# Altium PCB RTM_SFP.PcbDoc (part 6 of 17)
Units mil, origin at the board's own origin, x right, y up, seen from the top; angles counter-clockwise.
Board outline 7185 x 5846.5 mil, 4 copper layers (Top Layer, MidPlane_1, MidPlane_2, Bottom Layer), stack 63.553 mil thick; 389 components, 333 nets, 1578 pads, 1486 vias.
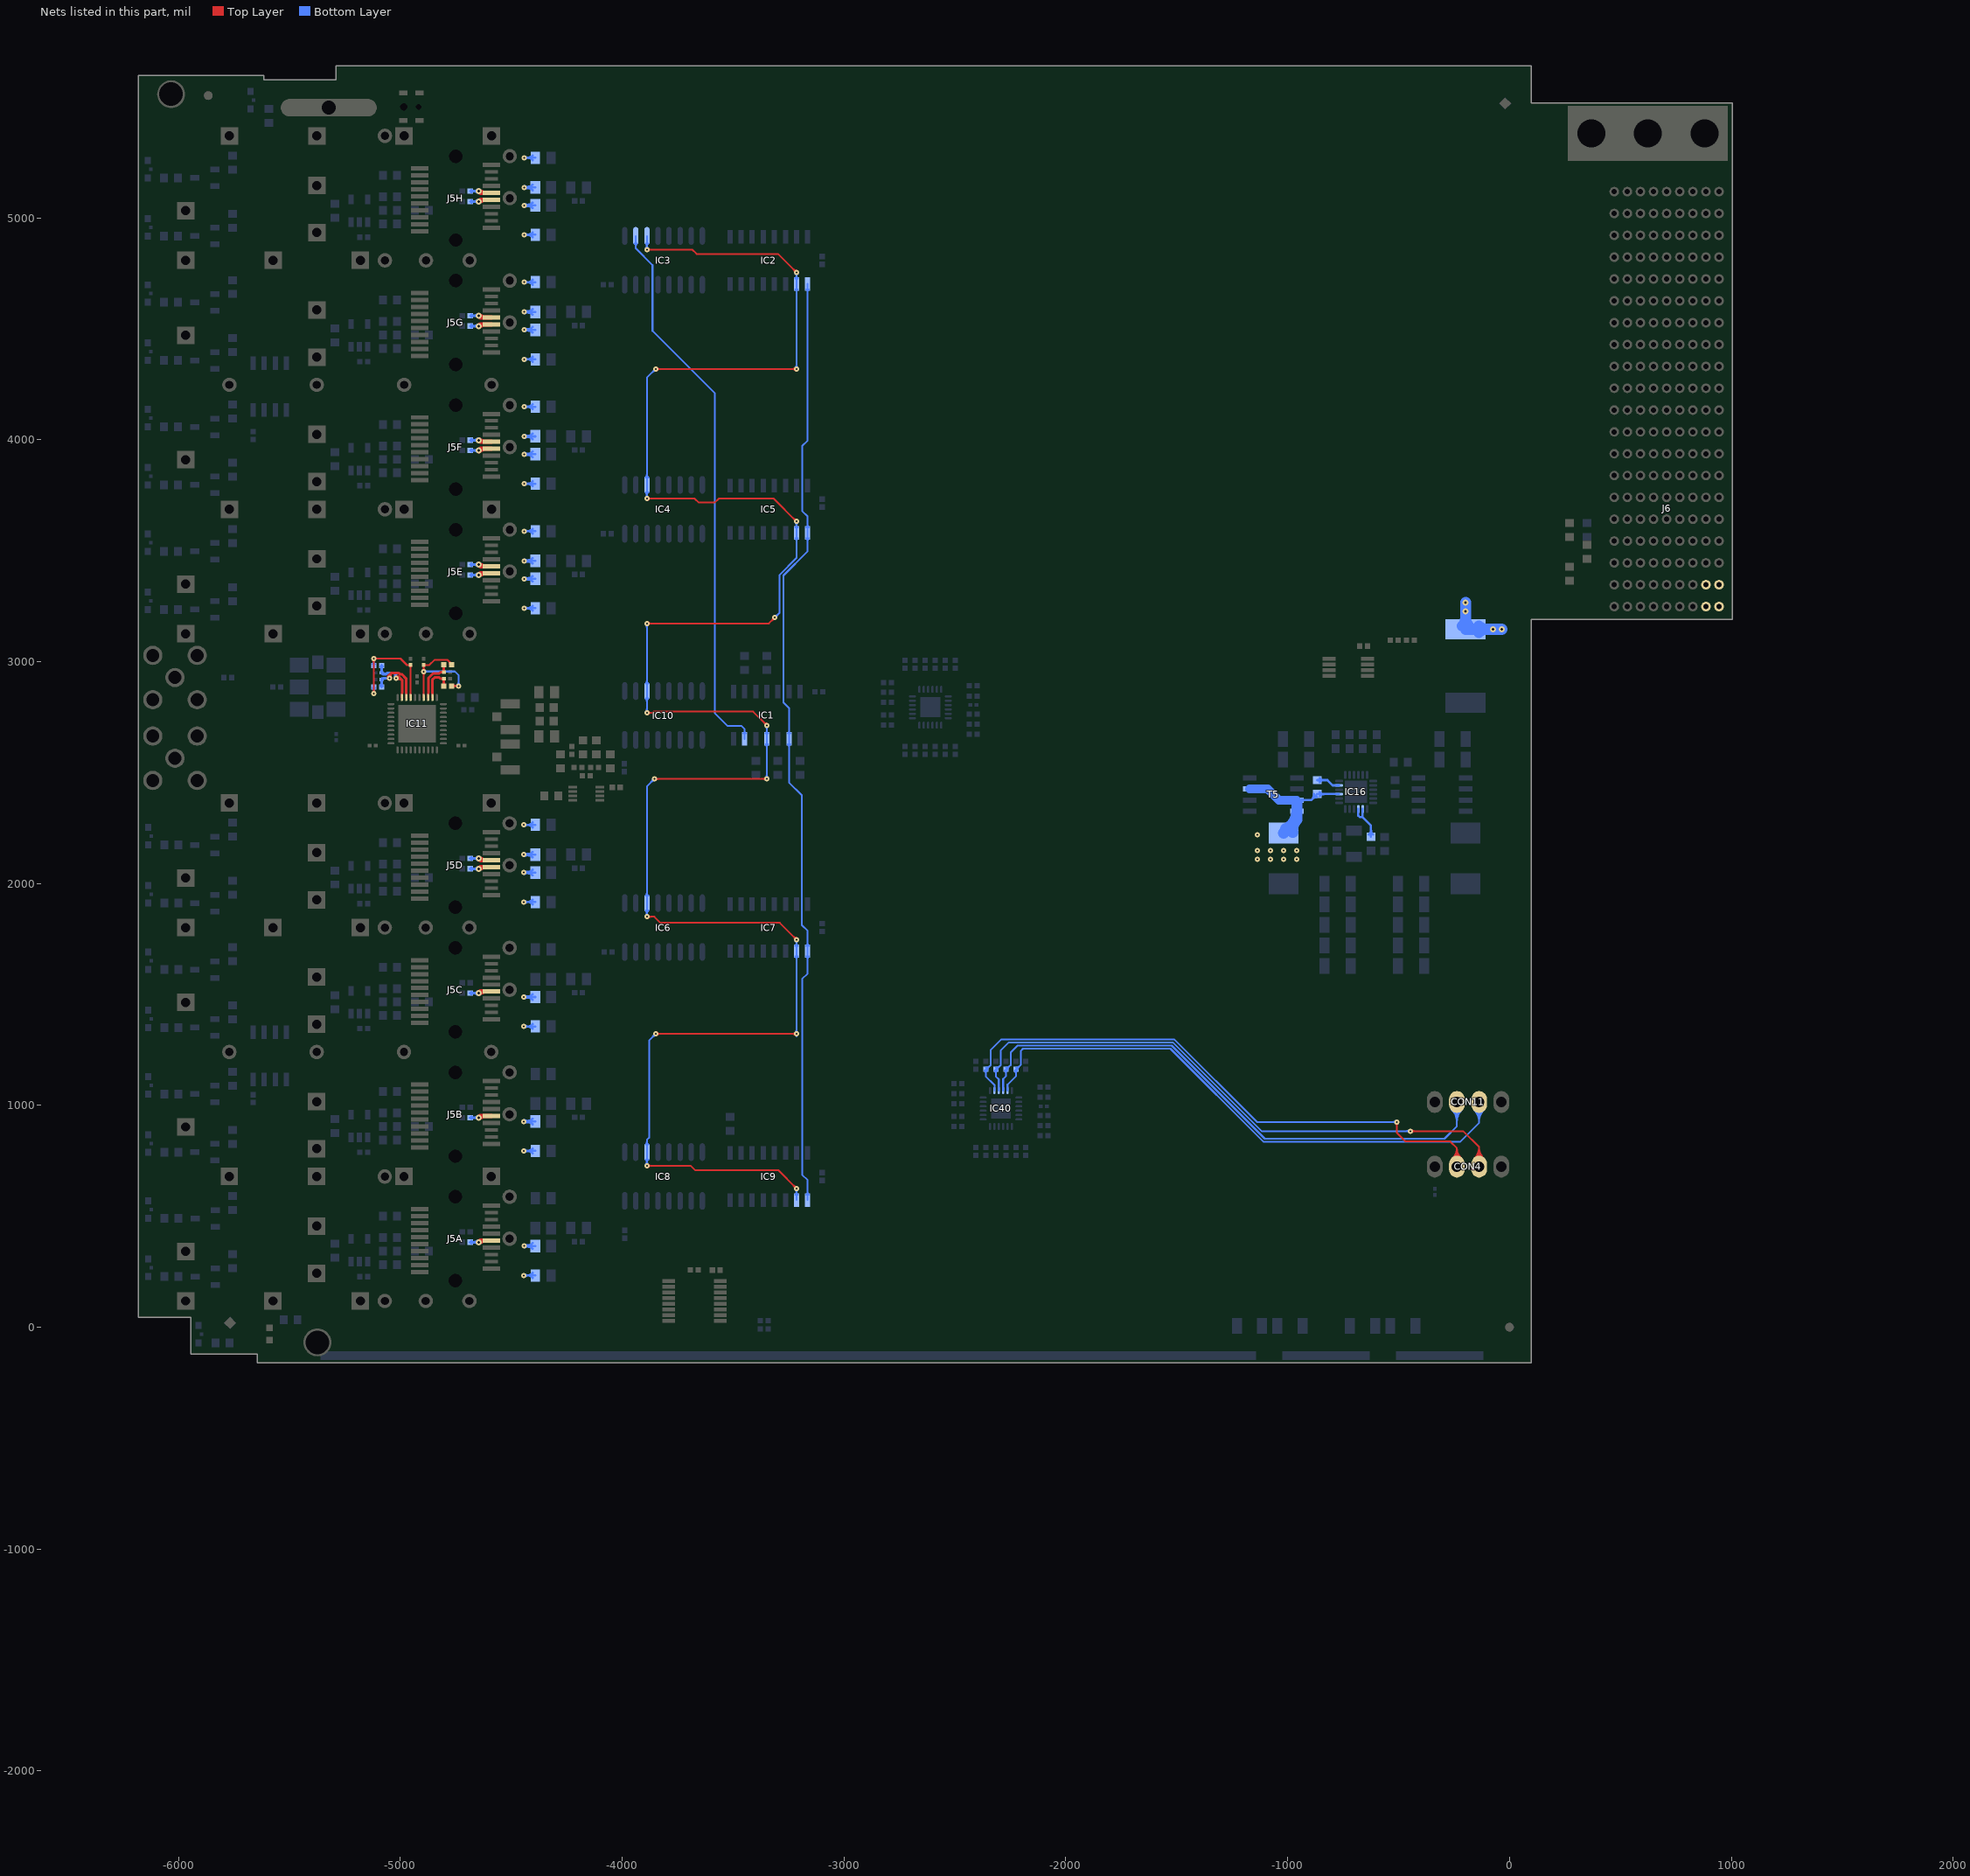
[diagram p8: the nets of this part, all layers, seen from the top]

## Via types
v1: diameter 23.62, hole 7.87, Top Layer to Bottom Layer, tented both sides, 1401 vias
v2: diameter 27.56, hole 11.81, Top Layer to Bottom Layer, tented both sides, 59 vias
v3: diameter 25.98, hole 12.99, Top Layer to Bottom Layer, tented top, 24 vias
v4: diameter 23.62, hole 11.81, Top Layer to Bottom Layer, tented both sides, 2 vias

## Nets (pads, with @x,y where several pads share a name; then routed paths per layer and width w, separated by ;. In a path a pad name is that pad's centre, name@x,y a point inside that pad or via, vN(x,y) a via of type N, cw(c..) or ccw(c..) an arc to the next point about the centre after c; other vN are vias at no path point) (continued)
NetC214D_1: C214D.1 C220D.1 J5D.16 L5D.2 | length 624.1
  Top Layer w19.68: v2(-4647.55,2112.99) -4639.92,2105.36 J5D.16@-4590.14,2105.36 ; v2@-4646.31,2109.26 cw(c-4640.28,2091.13) -4630.73,2107.67 ; v2@-4644.77,2115.78 ccw(c-4619.63,2140.92) -4619.63,2105.36 cw(c-4619.63,2140.92) v2@-4644.77,2115.78
  Bottom Layer w10: v1(-4443.28,2129.91) L5D.2@-4392.29,2129.91 ; v1(-4443.28,2263.77) C220D.1@-4392.29,2263.77 ; v1@-4439.87,2124.02 cw(c-4427.69,2102.92) -4421.38,2126.45 ; v1@-4439.87,2135.81 ccw(c-4427.69,2156.91) -4421.38,2133.38 ; L5D.2@-4404.2,2117.44 ccw(c-4434.31,2087.33) -4434.31,2129.91 ccw(c-4434.31,2172.5) L5D.2@-4404.2,2142.39 ; C220D.1@-4402.81,2252.69 ccw(c-4429.56,2225.94) -4429.56,2263.77 ccw(c-4429.56,2301.6) C220D.1@-4402.81,2274.85 ; -4426.83,2129.91 cw(c-4426.83,2146.36) -4438.46,2134.73 ccw(c-4426.83,2146.36) -4426.83,2129.91 ; -4426.83,2129.91 ccw(c-4426.83,2113.47) -4438.46,2125.1 cw(c-4426.83,2113.47) -4426.83,2129.91 ; -4426.83,2263.77 cw(c-4426.83,2280.22) -4438.46,2268.59 ccw(c-4426.83,2280.22) -4426.83,2263.77 ; -4426.83,2263.77 ccw(c-4426.83,2247.33) -4438.46,2258.96 cw(c-4426.83,2247.33) -4426.83,2263.77
  Bottom Layer w11.81: C214D.1@-4685.6,2112.99 v2(-4647.55,2112.99) ; C214D.1@-4680.59,2108.54 cw(c-4669.83,2097.78) -4669.83,2112.99 cw(c-4669.83,2128.2) C214D.1@-4680.59,2117.45 ; -4666.56,2112.99 cw(c-4666.56,2093.98) -4653.12,2107.42 ccw(c-4666.56,2093.98) -4666.56,2112.99 ; -4666.56,2112.99 ccw(c-4666.56,2132) -4653.12,2118.56 cw(c-4666.56,2132) -4666.56,2112.99
NetC214E_1: C214E.1 C220E.1 J5E.16 L5E.2 | length 623.3
  Top Layer w19.68: v2(-4646.99,3437.02) -4639.36,3429.39 J5E.16@-4589.58,3429.39 ; v2@-4645.75,3433.28 cw(c-4639.72,3415.15) -4630.17,3431.7 ; v2@-4644.21,3439.8 ccw(c-4619.07,3464.94) -4619.07,3429.39 cw(c-4619.07,3464.94) v2@-4644.21,3439.8
  Bottom Layer w10: v1(-4442.72,3453.94) L5E.2@-4391.73,3453.94 ; v1(-4442.72,3587.8) C220E.1@-4391.73,3587.8 ; v1@-4439.31,3448.04 cw(c-4427.38,3427.37) -4421.2,3450.42 ; v1@-4439.31,3459.84 ccw(c-4427.38,3480.51) -4421.2,3457.45 ; L5E.2@-4404.2,3441.47 ccw(c-4434.31,3411.36) -4434.31,3453.94 ccw(c-4434.31,3496.52) L5E.2@-4404.2,3466.41 ; C220E.1@-4402.81,3576.72 ccw(c-4429.56,3549.97) -4429.56,3587.8 ccw(c-4429.56,3625.62) C220E.1@-4402.81,3598.88 ; -4426.27,3453.94 cw(c-4426.27,3470.38) -4437.9,3458.75 ccw(c-4426.27,3470.38) -4426.27,3453.94 ; -4426.27,3453.94 ccw(c-4426.27,3437.49) -4437.9,3449.12 cw(c-4426.27,3437.49) -4426.27,3453.94 ; -4426.27,3587.8 cw(c-4426.27,3604.24) -4437.9,3592.61 ccw(c-4426.27,3604.24) -4426.27,3587.8 ; -4426.27,3587.8 ccw(c-4426.27,3571.35) -4437.9,3582.98 cw(c-4426.27,3571.35) -4426.27,3587.8
  Bottom Layer w11.81: C214E.1@-4685.04,3437.02 v2(-4646.99,3437.02) ; C214E.1@-4680.59,3432.56 cw(c-4669.83,3421.81) -4669.83,3437.02 cw(c-4669.83,3452.22) C214E.1@-4680.59,3441.47 ; -4666,3437.02 cw(c-4666,3418.01) -4652.56,3431.45 ccw(c-4666,3418.01) -4666,3437.02 ; -4666,3437.02 ccw(c-4666,3456.02) -4652.56,3442.58 cw(c-4666,3456.02) -4666,3437.02
NetC214F_1: C214F.1 C220F.1 J5F.16 L5F.2 | length 623.3
  Top Layer w19.68: v2(-4646.99,3998.04) -4639.36,3990.41 J5F.16@-4589.58,3990.41 ; v2@-4645.75,3994.3 cw(c-4639.72,3976.18) -4630.17,3992.72 ; v2@-4644.21,4000.82 ccw(c-4619.07,4025.96) -4619.07,3990.41 cw(c-4619.07,4025.96) v2@-4644.21,4000.82
  Bottom Layer w10: v1(-4442.72,4014.96) L5F.2@-4391.73,4014.96 ; v1(-4442.72,4148.82) C220F.1@-4391.73,4148.82 ; v1@-4439.31,4009.06 cw(c-4427.38,3988.39) -4421.2,4011.45 ; v1@-4439.31,4020.86 ccw(c-4427.38,4041.53) -4421.2,4018.47 ; L5F.2@-4404.2,4002.49 ccw(c-4434.31,3972.38) -4434.31,4014.96 ccw(c-4434.31,4057.54) L5F.2@-4404.2,4027.43 ; C220F.1@-4402.81,4137.74 ccw(c-4429.56,4110.99) -4429.56,4148.82 ccw(c-4429.56,4186.65) C220F.1@-4402.81,4159.9 ; -4426.27,4014.96 cw(c-4426.27,4031.4) -4437.9,4019.78 ccw(c-4426.27,4031.4) -4426.27,4014.96 ; -4426.27,4014.96 ccw(c-4426.27,3998.52) -4437.9,4010.14 cw(c-4426.27,3998.52) -4426.27,4014.96 ; -4426.27,4148.82 cw(c-4426.27,4165.26) -4437.9,4153.64 ccw(c-4426.27,4165.26) -4426.27,4148.82 ; -4426.27,4148.82 ccw(c-4426.27,4132.38) -4437.9,4144 cw(c-4426.27,4132.38) -4426.27,4148.82
  Bottom Layer w11.81: C214F.1@-4685.04,3998.04 v2(-4646.99,3998.04) ; C214F.1@-4680.59,3993.58 cw(c-4669.83,3982.83) -4669.83,3998.04 cw(c-4669.83,4013.25) C214F.1@-4680.59,4002.49 ; -4666,3998.04 cw(c-4666,3979.03) -4652.56,3992.47 ccw(c-4666,3979.03) -4666,3998.04 ; -4666,3998.04 ccw(c-4666,4017.05) -4652.56,4003.61 cw(c-4666,4017.05) -4666,3998.04
NetC214G_1: C214G.1 C220G.1 J5G.16 L5G.2 | length 623.3
  Top Layer w19.68: v2(-4646.99,4559.06) -4639.36,4551.43 J5G.16@-4589.58,4551.43 ; v2@-4645.75,4555.33 cw(c-4639.72,4537.2) -4630.17,4553.74 ; v2@-4644.21,4561.85 ccw(c-4619.07,4586.99) -4619.07,4551.43 cw(c-4619.07,4586.99) v2@-4644.21,4561.85
  Bottom Layer w10: v1(-4442.72,4575.98) L5G.2@-4391.73,4575.98 ; v1(-4442.72,4709.84) C220G.1@-4391.73,4709.84 ; v1@-4439.31,4570.09 cw(c-4427.38,4549.42) -4421.2,4572.47 ; v1@-4439.31,4581.88 ccw(c-4427.38,4602.55) -4421.2,4579.5 ; L5G.2@-4404.2,4563.51 ccw(c-4434.31,4533.4) -4434.31,4575.98 ccw(c-4434.31,4618.57) L5G.2@-4404.2,4588.46 ; C220G.1@-4402.81,4698.76 ccw(c-4429.56,4672.01) -4429.56,4709.84 ccw(c-4429.56,4747.67) C220G.1@-4402.81,4720.92 ; -4426.27,4575.98 cw(c-4426.27,4592.43) -4437.9,4580.8 ccw(c-4426.27,4592.43) -4426.27,4575.98 ; -4426.27,4575.98 ccw(c-4426.27,4559.54) -4437.9,4571.17 cw(c-4426.27,4559.54) -4426.27,4575.98 ; -4426.27,4709.84 cw(c-4426.27,4726.29) -4437.9,4714.66 ccw(c-4426.27,4726.29) -4426.27,4709.84 ; -4426.27,4709.84 ccw(c-4426.27,4693.4) -4437.9,4705.03 cw(c-4426.27,4693.4) -4426.27,4709.84
  Bottom Layer w11.81: C214G.1@-4685.04,4559.06 v2(-4646.99,4559.06) ; C214G.1@-4680.59,4554.61 cw(c-4669.83,4543.86) -4669.83,4559.06 cw(c-4669.83,4574.27) C214G.1@-4680.59,4563.52 ; -4666,4559.06 cw(c-4666,4540.05) -4652.56,4553.5 ccw(c-4666,4540.05) -4666,4559.06 ; -4666,4559.06 ccw(c-4666,4578.07) -4652.56,4564.63 cw(c-4666,4578.07) -4666,4559.06
NetC214H_1: C214H.1 C220H.1 J5H.16 L5H.2 | length 623.3
  Top Layer w19.68: v2(-4646.99,5120.09) -4639.36,5112.46 J5H.16@-4589.58,5112.46 ; v2@-4645.75,5116.35 cw(c-4639.72,5098.23) -4630.17,5114.77 ; v2@-4644.21,5122.87 ccw(c-4619.07,5148.01) -4619.07,5112.46 cw(c-4619.07,5148.01) v2@-4644.21,5122.87
  Bottom Layer w10: v1(-4442.72,5137.01) L5H.2@-4391.73,5137.01 ; v1(-4442.72,5270.87) C220H.1@-4391.73,5270.87 ; v1@-4439.31,5131.11 cw(c-4427.38,5110.44) -4421.2,5133.49 ; v1@-4439.31,5142.91 ccw(c-4427.38,5163.58) -4421.2,5140.52 ; L5H.2@-4404.2,5124.54 ccw(c-4434.31,5094.43) -4434.31,5137.01 ccw(c-4434.31,5179.59) L5H.2@-4404.2,5149.48 ; C220H.1@-4402.81,5259.79 ccw(c-4429.56,5233.04) -4429.56,5270.87 ccw(c-4429.56,5308.7) C220H.1@-4402.81,5281.95 ; -4426.27,5137.01 cw(c-4426.27,5153.45) -4437.9,5141.82 ccw(c-4426.27,5153.45) -4426.27,5137.01 ; -4426.27,5137.01 ccw(c-4426.27,5120.57) -4437.9,5132.19 cw(c-4426.27,5120.57) -4426.27,5137.01 ; -4426.27,5270.87 cw(c-4426.27,5287.31) -4437.9,5275.68 ccw(c-4426.27,5287.31) -4426.27,5270.87 ; -4426.27,5270.87 ccw(c-4426.27,5254.42) -4437.9,5266.05 cw(c-4426.27,5254.42) -4426.27,5270.87
  Bottom Layer w11.81: C214H.1@-4685.04,5120.09 v2(-4646.99,5120.09) ; C214H.1@-4680.59,5115.63 cw(c-4669.83,5104.88) -4669.83,5120.09 cw(c-4669.83,5135.29) C214H.1@-4680.59,5124.54 ; -4666,5120.09 cw(c-4666,5101.08) -4652.56,5114.52 ccw(c-4666,5101.08) -4666,5120.09 ; -4666,5120.09 ccw(c-4666,5139.1) -4652.56,5125.65 cw(c-4666,5139.1) -4666,5120.09
NetC219A_1: C219A.1 C228A.1 J5A.15 L11A.2 | length 622.5
  Top Layer w19.68: v2(-4647.55,383.27) -4640.02,390.8 J5A.15@-4590.14,390.8 ; v2@-4646.28,386.99 ccw(c-4640.24,404.7) -4630.89,388.5 ; v2@-4644.77,380.48 cw(c-4619.87,355.59) -4619.87,390.8 ccw(c-4619.87,355.59) v2@-4644.77,380.48
  Bottom Layer w10: v1(-4443.28,233.46) C219A.1@-4392.29,233.46 ; v1(-4442.72,366.13) L11A.2@-4391.73,366.13 ; v1@-4439.31,360.24 cw(c-4427.38,339.56) -4421.2,362.62 ; v1@-4439.31,372.03 ccw(c-4427.38,392.7) -4421.2,369.65 ; L11A.2@-4404.2,353.66 ccw(c-4434.31,323.55) -4434.31,366.13 ccw(c-4434.31,408.71) L11A.2@-4404.2,378.61 ; C219A.1@-4402.81,222.38 ccw(c-4429.56,195.63) -4429.56,233.46 ccw(c-4429.56,271.29) C219A.1@-4402.81,244.54 ; -4426.83,233.46 cw(c-4426.83,249.9) -4438.46,238.27 ccw(c-4426.83,249.9) -4426.83,233.46 ; -4426.83,233.46 ccw(c-4426.83,217.01) -4438.46,228.64 cw(c-4426.83,217.01) -4426.83,233.46 ; -4426.27,366.13 cw(c-4426.27,382.58) -4437.9,370.95 ccw(c-4426.27,382.58) -4426.27,366.13 ; -4426.27,366.13 ccw(c-4426.27,349.69) -4437.9,361.32 cw(c-4426.27,349.69) -4426.27,366.13
  Bottom Layer w11.81: C228A.1@-4685.6,383.27 v2(-4647.55,383.27) ; C228A.1@-4680.59,378.81 cw(c-4669.83,368.06) -4669.83,383.27 cw(c-4669.83,398.47) C228A.1@-4680.59,387.72 ; -4666.56,383.27 cw(c-4666.56,364.26) -4653.12,377.7 ccw(c-4666.56,364.26) -4666.56,383.27 ; -4666.56,383.27 ccw(c-4666.56,402.28) -4653.12,388.83 cw(c-4666.56,402.28) -4666.56,383.27
NetC219B_1: C219B.1 C228B.1 J5B.15 L11B.2 | length 623.3
  Top Layer w19.68: v2(-4647.55,944.29) -4640.02,951.82 J5B.15@-4590.14,951.82 ; v2@-4646.28,948.02 ccw(c-4640.24,965.72) -4630.89,949.52 ; v2@-4644.77,941.51 cw(c-4619.87,916.61) -4619.87,951.82 ccw(c-4619.87,916.61) v2@-4644.77,941.51
  Bottom Layer w10: v1(-4443.28,794.48) C219B.1@-4392.29,794.48 ; v1(-4443.28,927.16) L11B.2@-4392.29,927.16 ; v1@-4439.87,921.26 cw(c-4427.69,900.16) -4421.38,923.69 ; v1@-4439.87,933.06 ccw(c-4427.69,954.15) -4421.38,930.62 ; L11B.2@-4404.2,914.69 ccw(c-4434.31,884.58) -4434.31,927.16 ccw(c-4434.31,969.74) L11B.2@-4404.2,939.63 ; C219B.1@-4402.81,783.4 ccw(c-4429.56,756.65) -4429.56,794.48 ccw(c-4429.56,832.31) C219B.1@-4402.81,805.56 ; -4426.83,794.48 cw(c-4426.83,810.92) -4438.46,799.3 ccw(c-4426.83,810.92) -4426.83,794.48 ; -4426.83,794.48 ccw(c-4426.83,778.04) -4438.46,789.66 cw(c-4426.83,778.04) -4426.83,794.48 ; -4426.83,927.16 cw(c-4426.83,943.6) -4438.46,931.97 ccw(c-4426.83,943.6) -4426.83,927.16 ; -4426.83,927.16 ccw(c-4426.83,910.71) -4438.46,922.34 cw(c-4426.83,910.71) -4426.83,927.16
  Bottom Layer w11.81: C228B.1@-4685.6,944.29 v2(-4647.55,944.29) ; C228B.1@-4680.59,939.84 cw(c-4669.83,929.08) -4669.83,944.29 cw(c-4669.83,959.5) C228B.1@-4680.59,948.74 ; -4666.56,944.29 cw(c-4666.56,925.28) -4653.12,938.72 ccw(c-4666.56,925.28) -4666.56,944.29 ; -4666.56,944.29 ccw(c-4666.56,963.3) -4653.12,949.86 cw(c-4666.56,963.3) -4666.56,944.29
NetC219C_1: C219C.1 C228C.1 J5C.15 L11C.2 | length 623.3
  Top Layer w19.68: v2(-4647.55,1505.31) -4640.02,1512.84 J5C.15@-4590.14,1512.84 ; v2@-4646.28,1509.04 ccw(c-4640.24,1526.75) -4630.89,1510.55 ; v2@-4644.77,1502.53 cw(c-4619.87,1477.63) -4619.87,1512.84 ccw(c-4619.87,1477.63) v2@-4644.77,1502.53
  Bottom Layer w10: v1(-4443.28,1355.5) C219C.1@-4392.29,1355.5 ; v1(-4443.28,1488.18) L11C.2@-4392.29,1488.18 ; v1@-4439.87,1482.28 cw(c-4427.69,1461.18) -4421.38,1484.72 ; v1@-4439.87,1494.08 ccw(c-4427.69,1515.18) -4421.38,1491.65 ; L11C.2@-4404.2,1475.71 ccw(c-4434.31,1445.6) -4434.31,1488.18 ccw(c-4434.31,1530.76) L11C.2@-4404.2,1500.65 ; C219C.1@-4402.81,1344.42 ccw(c-4429.56,1317.68) -4429.56,1355.5 ccw(c-4429.56,1393.33) C219C.1@-4402.81,1366.58 ; -4426.83,1355.5 cw(c-4426.83,1371.95) -4438.46,1360.32 ccw(c-4426.83,1371.95) -4426.83,1355.5 ; -4426.83,1355.5 ccw(c-4426.83,1339.06) -4438.46,1350.69 cw(c-4426.83,1339.06) -4426.83,1355.5 ; -4426.83,1488.18 cw(c-4426.83,1504.62) -4438.46,1493 ccw(c-4426.83,1504.62) -4426.83,1488.18 ; -4426.83,1488.18 ccw(c-4426.83,1471.74) -4438.46,1483.37 cw(c-4426.83,1471.74) -4426.83,1488.18
  Bottom Layer w11.81: C228C.1@-4685.6,1505.31 v2(-4647.55,1505.31) ; C228C.1@-4680.59,1500.86 cw(c-4669.83,1490.11) -4669.83,1505.31 cw(c-4669.83,1520.52) C228C.1@-4680.59,1509.77 ; -4666.56,1505.31 cw(c-4666.56,1486.31) -4653.12,1499.75 ccw(c-4666.56,1486.31) -4666.56,1505.31 ; -4666.56,1505.31 ccw(c-4666.56,1524.32) -4653.12,1510.88 cw(c-4666.56,1524.32) -4666.56,1505.31
NetC219D_1: C219D.1 C228D.1 J5D.15 L11D.2 | length 623.3
  Top Layer w19.68: v2(-4647.55,2066.34) -4640.02,2073.87 J5D.15@-4590.14,2073.87 ; v2@-4646.28,2070.06 ccw(c-4640.24,2087.77) -4630.89,2071.57 ; v2@-4644.77,2063.55 cw(c-4619.87,2038.66) -4619.87,2073.87 ccw(c-4619.87,2038.66) v2@-4644.77,2063.55
  Bottom Layer w10: v1(-4443.28,1916.53) C219D.1@-4392.29,1916.53 ; v1(-4443.28,2049.21) L11D.2@-4392.29,2049.21 ; v1@-4439.87,2043.31 cw(c-4427.69,2022.21) -4421.38,2045.74 ; v1@-4439.87,2055.1 ccw(c-4427.69,2076.2) -4421.38,2052.67 ; L11D.2@-4404.2,2036.73 ccw(c-4434.31,2006.62) -4434.31,2049.21 ccw(c-4434.31,2091.79) L11D.2@-4404.2,2061.68 ; C219D.1@-4402.81,1905.45 ccw(c-4429.56,1878.7) -4429.56,1916.53 ccw(c-4429.56,1954.36) C219D.1@-4402.81,1927.61 ; -4426.83,1916.53 cw(c-4426.83,1932.97) -4438.46,1921.34 ccw(c-4426.83,1932.97) -4426.83,1916.53 ; -4426.83,1916.53 ccw(c-4426.83,1900.08) -4438.46,1911.71 cw(c-4426.83,1900.08) -4426.83,1916.53 ; -4426.83,2049.21 cw(c-4426.83,2065.65) -4438.46,2054.02 ccw(c-4426.83,2065.65) -4426.83,2049.21 ; -4426.83,2049.21 ccw(c-4426.83,2032.76) -4438.46,2044.39 cw(c-4426.83,2032.76) -4426.83,2049.21
  Bottom Layer w11.81: C228D.1@-4685.6,2066.34 v2(-4647.55,2066.34) ; C228D.1@-4680.59,2061.88 cw(c-4669.83,2051.13) -4669.83,2066.34 cw(c-4669.83,2081.55) C228D.1@-4680.59,2070.79 ; -4666.56,2066.34 cw(c-4666.56,2047.33) -4653.12,2060.77 ccw(c-4666.56,2047.33) -4666.56,2066.34 ; -4666.56,2066.34 ccw(c-4666.56,2085.35) -4653.12,2071.91 cw(c-4666.56,2085.35) -4666.56,2066.34
NetC219E_1: C219E.1 C228E.1 J5E.15 L11E.2 | length 622.5
  Top Layer w19.68: v2(-4646.99,3390.36) -4639.46,3397.89 J5E.15@-4589.58,3397.89 ; v2@-4645.72,3394.09 ccw(c-4639.68,3411.79) -4630.33,3395.59 ; v2@-4644.21,3387.58 cw(c-4619.31,3362.68) -4619.31,3397.89 ccw(c-4619.31,3362.68) v2@-4644.21,3387.58
  Bottom Layer w10: v1(-4442.72,3240.55) C219E.1@-4391.73,3240.55 ; v1(-4442.72,3373.23) L11E.2@-4391.73,3373.23 ; v1@-4439.31,3367.33 cw(c-4427.38,3346.66) -4421.2,3369.71 ; v1@-4439.31,3379.13 ccw(c-4427.38,3399.8) -4421.2,3376.74 ; L11E.2@-4404.2,3360.76 ccw(c-4434.31,3330.65) -4434.31,3373.23 ccw(c-4434.31,3415.81) L11E.2@-4404.2,3385.7 ; C219E.1@-4402.81,3229.47 ccw(c-4429.56,3202.72) -4429.56,3240.55 ccw(c-4429.56,3278.38) C219E.1@-4402.81,3251.63 ; -4426.27,3240.55 cw(c-4426.27,3256.99) -4437.9,3245.37 ccw(c-4426.27,3256.99) -4426.27,3240.55 ; -4426.27,3240.55 ccw(c-4426.27,3224.11) -4437.9,3235.74 cw(c-4426.27,3224.11) -4426.27,3240.55 ; -4426.27,3373.23 cw(c-4426.27,3389.67) -4437.9,3378.04 ccw(c-4426.27,3389.67) -4426.27,3373.23 ; -4426.27,3373.23 ccw(c-4426.27,3356.79) -4437.9,3368.41 cw(c-4426.27,3356.79) -4426.27,3373.23
  Bottom Layer w11.81: C228E.1@-4685.04,3390.36 v2(-4646.99,3390.36) ; C228E.1@-4680.59,3385.91 cw(c-4669.83,3375.15) -4669.83,3390.36 cw(c-4669.83,3405.57) C228E.1@-4680.59,3394.82 ; -4666,3390.36 cw(c-4666,3371.35) -4652.56,3384.79 ccw(c-4666,3371.35) -4666,3390.36 ; -4666,3390.36 ccw(c-4666,3409.37) -4652.56,3395.93 cw(c-4666,3409.37) -4666,3390.36
NetC219F_1: C219F.1 C228F.1 J5F.15 L11F.2 | length 622.5
  Top Layer w19.68: v2(-4646.99,3951.39) -4639.46,3958.91 J5F.15@-4589.58,3958.91 ; v2@-4645.72,3955.11 ccw(c-4639.68,3972.82) -4630.33,3956.62 ; v2@-4644.21,3948.6 cw(c-4619.31,3923.71) -4619.31,3958.91 ccw(c-4619.31,3923.71) v2@-4644.21,3948.6
  Bottom Layer w10: v1(-4442.72,3801.58) C219F.1@-4391.73,3801.58 ; v1(-4442.72,3934.25) L11F.2@-4391.73,3934.25 ; v1@-4439.31,3928.35 cw(c-4427.38,3907.68) -4421.2,3930.74 ; v1@-4439.31,3940.15 ccw(c-4427.38,3960.82) -4421.2,3937.77 ; L11F.2@-4404.2,3921.78 ccw(c-4434.31,3891.67) -4434.31,3934.25 ccw(c-4434.31,3976.83) L11F.2@-4404.2,3946.72 ; C219F.1@-4402.81,3790.5 ccw(c-4429.56,3763.75) -4429.56,3801.58 ccw(c-4429.56,3839.4) C219F.1@-4402.81,3812.65 ; -4426.27,3801.58 cw(c-4426.27,3818.02) -4437.9,3806.39 ccw(c-4426.27,3818.02) -4426.27,3801.58 ; -4426.27,3801.58 ccw(c-4426.27,3785.13) -4437.9,3796.76 cw(c-4426.27,3785.13) -4426.27,3801.58 ; -4426.27,3934.25 cw(c-4426.27,3950.7) -4437.9,3939.07 ccw(c-4426.27,3950.7) -4426.27,3934.25 ; -4426.27,3934.25 ccw(c-4426.27,3917.81) -4437.9,3929.44 cw(c-4426.27,3917.81) -4426.27,3934.25
  Bottom Layer w11.81: C228F.1@-4685.04,3951.39 v2(-4646.99,3951.39) ; C228F.1@-4680.59,3946.93 cw(c-4669.83,3936.18) -4669.83,3951.39 cw(c-4669.83,3966.59) C228F.1@-4680.59,3955.84 ; -4666,3951.39 cw(c-4666,3932.38) -4652.56,3945.82 ccw(c-4666,3932.38) -4666,3951.39 ; -4666,3951.39 ccw(c-4666,3970.4) -4652.56,3956.95 cw(c-4666,3970.4) -4666,3951.39
NetC219G_1: C219G.1 C228G.1 J5G.15 L11G.2 | length 622.5
  Top Layer w19.68: v2(-4646.99,4512.41) -4639.46,4519.94 J5G.15@-4589.58,4519.94 ; v2@-4645.72,4516.14 ccw(c-4639.68,4533.84) -4630.33,4517.64 ; v2@-4644.21,4509.63 cw(c-4619.31,4484.73) -4619.31,4519.94 ccw(c-4619.31,4484.73) v2@-4644.21,4509.63
  Bottom Layer w10: v1(-4442.72,4362.6) C219G.1@-4391.73,4362.6 ; v1(-4442.72,4495.28) L11G.2@-4391.73,4495.28 ; v1@-4439.31,4489.38 cw(c-4427.38,4468.71) -4421.2,4491.76 ; v1@-4439.31,4501.17 ccw(c-4427.38,4521.85) -4421.2,4498.79 ; L11G.2@-4404.2,4482.8 ccw(c-4434.31,4452.69) -4434.31,4495.28 ccw(c-4434.31,4537.86) L11G.2@-4404.2,4507.75 ; C219G.1@-4402.81,4351.52 ccw(c-4429.56,4324.77) -4429.56,4362.6 ccw(c-4429.56,4400.43) C219G.1@-4402.81,4373.68 ; -4426.27,4362.6 cw(c-4426.27,4379.04) -4437.9,4367.42 ccw(c-4426.27,4379.04) -4426.27,4362.6 ; -4426.27,4362.6 ccw(c-4426.27,4346.16) -4437.9,4357.78 cw(c-4426.27,4346.16) -4426.27,4362.6 ; -4426.27,4495.28 cw(c-4426.27,4511.72) -4437.9,4500.09 ccw(c-4426.27,4511.72) -4426.27,4495.28 ; -4426.27,4495.28 ccw(c-4426.27,4478.83) -4437.9,4490.46 cw(c-4426.27,4478.83) -4426.27,4495.28
  Bottom Layer w11.81: C228G.1@-4685.04,4512.41 v2(-4646.99,4512.41) ; C228G.1@-4680.59,4507.96 cw(c-4669.83,4497.2) -4669.83,4512.41 cw(c-4669.83,4527.62) C228G.1@-4680.59,4516.86 ; -4666,4512.41 cw(c-4666,4493.4) -4652.56,4506.84 ccw(c-4666,4493.4) -4666,4512.41 ; -4666,4512.41 ccw(c-4666,4531.42) -4652.56,4517.98 cw(c-4666,4531.42) -4666,4512.41
NetC219H_1: C219H.1 C228H.1 J5H.15 L11H.2 | length 622.5
  Top Layer w19.68: v2(-4646.99,5073.43) -4639.46,5080.96 J5H.15@-4589.58,5080.96 ; v2@-4645.72,5077.16 ccw(c-4639.68,5094.87) -4630.33,5078.66 ; v2@-4644.21,5070.65 cw(c-4619.31,5045.75) -4619.31,5080.96 ccw(c-4619.31,5045.75) v2@-4644.21,5070.65
  Bottom Layer w10: v1(-4442.72,4923.62) C219H.1@-4391.73,4923.62 ; v1(-4442.72,5056.3) L11H.2@-4391.73,5056.3 ; v1@-4439.31,5050.4 cw(c-4427.38,5029.73) -4421.2,5052.79 ; v1@-4439.31,5062.2 ccw(c-4427.38,5082.87) -4421.2,5059.81 ; L11H.2@-4404.2,5043.83 ccw(c-4434.31,5013.72) -4434.31,5056.3 ccw(c-4434.31,5098.88) L11H.2@-4404.2,5068.77 ; C219H.1@-4402.81,4912.54 ccw(c-4429.56,4885.79) -4429.56,4923.62 ccw(c-4429.56,4961.45) C219H.1@-4402.81,4934.7 ; -4426.27,4923.62 cw(c-4426.27,4940.07) -4437.9,4928.44 ccw(c-4426.27,4940.07) -4426.27,4923.62 ; -4426.27,4923.62 ccw(c-4426.27,4907.18) -4437.9,4918.81 cw(c-4426.27,4907.18) -4426.27,4923.62 ; -4426.27,5056.3 cw(c-4426.27,5072.74) -4437.9,5061.12 ccw(c-4426.27,5072.74) -4426.27,5056.3 ; -4426.27,5056.3 ccw(c-4426.27,5039.86) -4437.9,5051.48 cw(c-4426.27,5039.86) -4426.27,5056.3